# Altium PCB ROBOT1.PcbDoc (part 3 of 7)
Units mm, origin at the board's own origin, x right, y up, seen from the top; angles counter-clockwise.
Board outline 99.4 x 99.07 mm, 2 copper layers (Top Layer, Bottom Layer); 31 components, 29 nets, 151 pads, 0 vias.
Unrouted connection lines stored in the file: 3.
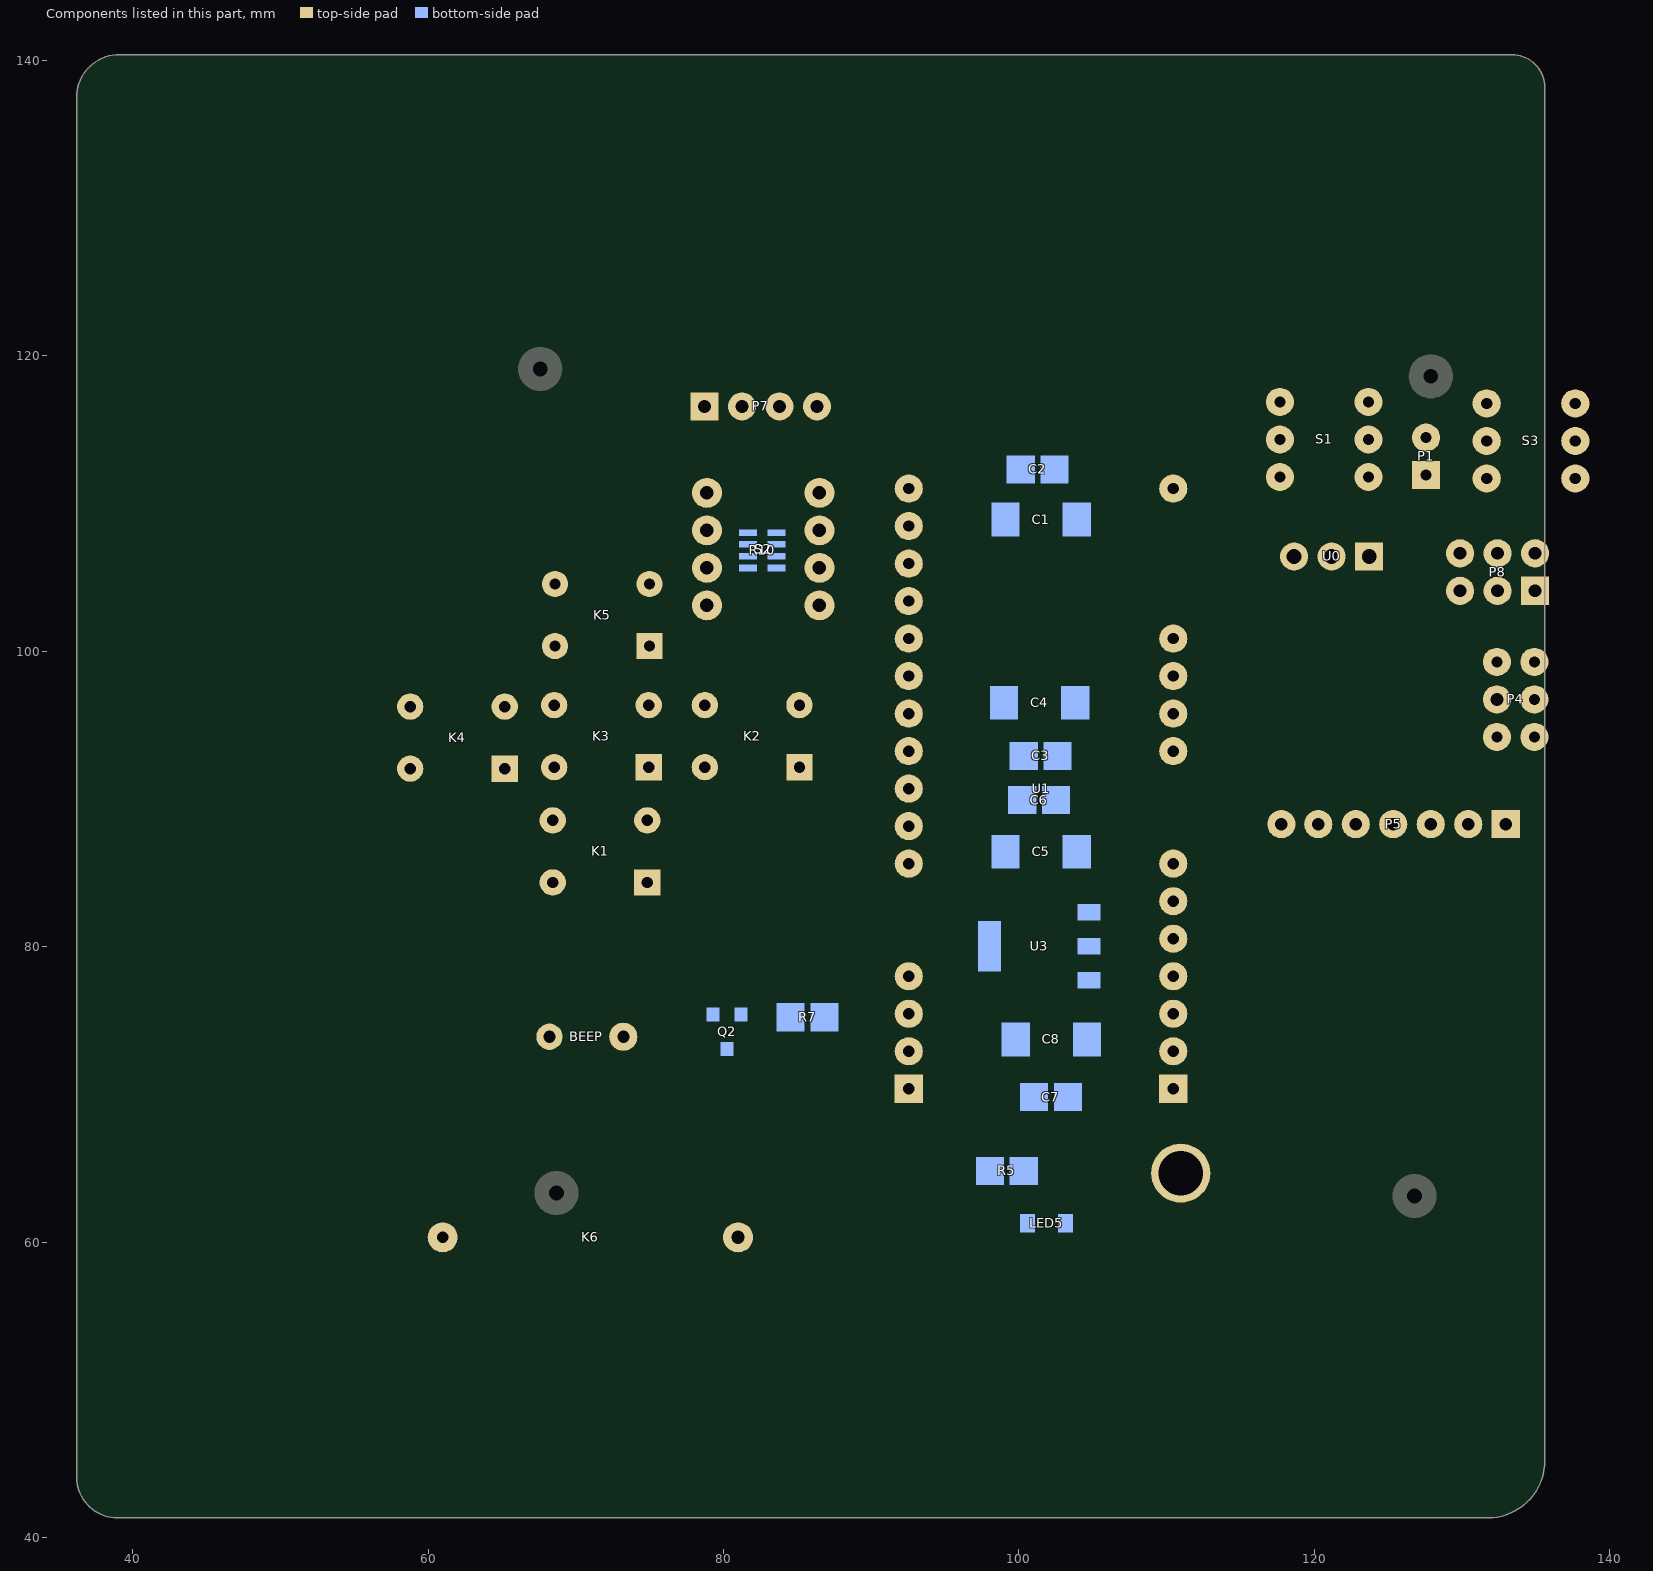
[diagram p3: the components of this part, seen from the top]

## Nets (pads, with @x,y where several pads share a name; then routed paths per layer and width w, separated by ;. In a path a pad name is that pad's centre, name@x,y a point inside that pad or via, vN(x,y) a via of type N, cw(c..) or ccw(c..) an arc to the next point about the centre after c; other vN are vias at no path point) (continued)
copper on no net: (continued)
  Bottom Layer w0.01: 58.26,113.578 58.34,113.578 ; 58.26,114.347 58.34,114.347 ; 58.26,114.357 58.33,114.357 ; 58.26,115.185 58.34,115.185 ; 58.26,115.864 58.34,115.864 ; 58.26,116.493 58.34,116.493 ; 58.26,117.042 58.34,117.042 ; 58.26,117.052 58.34,117.052 ; 58.26,117.811 58.34,117.811 ; 58.26,117.821 58.35,117.821 ; 58.27,113.558 58.35,113.558 ; 58.27,113.568 58.34,113.568 ; 58.27,114.327 58.35,114.327 ; 58.27,114.337 58.35,114.337 ; 58.27,115.165 58.35,115.165 ; 58.27,115.175 58.35,115.175 ; 58.27,115.874 58.35,115.874 ; 58.27,115.884 58.36,115.884 ; 58.27,116.503 58.35,116.503 ; 58.27,116.513 58.35,116.513 ; 58.27,117.062 58.35,117.062 ; 58.27,117.831 58.35,117.831 ; 58.27,117.841 58.36,117.841 ; 58.27,118.03 58.47,118.03 ; 58.28,114.307 58.36,114.307 ; 58.28,114.317 58.36,114.317 ; 58.28,115.155 58.36,115.155 ; 58.28,115.894 58.36,115.894 ; 58.28,115.904 58.37,115.904 ; 58.28,116.523 58.36,116.523 ; 58.28,116.533 58.37,116.533 ; 58.28,117.072 58.35,117.072 ; 58.28,117.851 58.37,117.851 ; 58.29,114.287 58.37,114.287 ; 58.29,114.297 58.37,114.297 ; 58.29,115.135 58.37,115.135 ; 58.29,115.145 58.37,115.145 ; 58.29,115.914 58.38,115.914 ; 58.29,116.543 58.37,116.543 ; 58.29,116.553 58.38,116.553 ; 58.29,116.563 58.38,116.563 ; 58.29,117.082 58.36,117.082 ; 58.29,117.092 58.37,117.092 ; 58.29,117.861 58.37,117.861 ; 58.29,117.871 58.38,117.871 ; 58.3,114.277 58.38,114.277 ; 58.3,115.125 58.38,115.125 ; 58.3,115.744 58.39,115.744 ; 58.3,115.924 58.38,115.924 ; 58.3,115.934 58.39,115.934 ; 58.3,116.573 58.39,116.573 ; 58.3,117.102 58.37,117.102 ; 58.3,117.112 58.38,117.112 ; 58.3,117.881 58.39,117.881 ; 58.3,117.891 58.39,117.891 ; 58.31,114.257 58.39,114.257 ; 58.31,114.267 58.38,114.267 ; 58.31,115.105 58.39,115.105 ; 58.31,115.115 58.38,115.115 ; 58.31,115.724 58.4,115.724 ; 58.31,115.734 58.39,115.734 ; 58.31,115.944 58.39,115.944 ; 58.31,116.583 58.4,116.583 ; 58.31,117.122 58.38,117.122 ; 58.31,117.132 58.39,117.132 ; 58.31,117.901 58.39,117.901 ; 58.32,114.247 58.4,114.247 ; 58.32,115.086 58.4,115.086 ; 58.32,115.096 58.4,115.096 ; 58.32,115.704 58.41,115.704 ; 58.32,115.714 58.4,115.714 ; 58.32,115.954 58.4,115.954 ; 58.32,115.964 58.41,115.964 ; 58.32,116.593 58.4,116.593 ; 58.32,117.142 58.39,117.142 ; 58.32,117.91 58.4,117.91 ; 58.32,117.92 58.41,117.92 ; 58.33,114.217 58.41,114.217 ; 58.33,114.227 58.41,114.227 ; 58.33,114.237 58.4,114.237 ; 58.33,115.076 58.41,115.076 ; 58.33,115.694 58.42,115.694 ; 58.33,115.974 58.41,115.974 ; 58.33,115.984 58.42,115.984 ; 58.33,116.603 58.41,116.603 ; 58.33,116.613 58.41,116.613 ; 58.33,117.152 58.4,117.152 ; 58.33,117.162 58.41,117.162 ; 58.33,117.93 58.41,117.93 ; 58.33,117.94 58.42,117.94 ; 58.34,114.207 58.42,114.207 ; 58.34,115.056 58.42,115.056 ; 58.34,115.066 58.41,115.066 ; 58.34,115.684 58.43,115.684 ; 58.34,115.994 58.43,115.994 ; 58.34,116.623 58.42,116.623 ; 58.34,116.633 58.42,116.633 ; 58.34,117.172 58.41,117.172 ; 58.34,117.182 58.42,117.182 ; 58.34,117.95 58.42,117.95 ; 58.34,117.96 58.43,117.96 ; 58.35,114.187 58.43,114.187 ; 58.35,114.197 58.42,114.197 ; 58.35,115.036 58.43,115.036 ; 58.35,115.046 58.43,115.046 ; 58.35,115.674 58.43,115.674 ; 58.35,116.004 58.43,116.004 ; 58.35,116.014 58.44,116.014 ; 58.35,116.643 58.43,116.643 ; 58.35,116.653 58.44,116.653 ; 58.35,117.192 58.42,117.192 ; 58.35,117.202 58.43,117.202 ; 58.35,117.97 58.44,117.97 ; 58.35,117.98 58.44,117.98 ; 58.36,114.167 58.44,114.167 ; 58.36,114.177 58.44,114.177 ; 58.36,115.026 58.44,115.026 ; 58.36,115.655 58.44,115.655 ; 58.36,115.665 58.44,115.665 ; 58.36,116.024 58.44,116.024 ; 58.36,116.663 58.45,116.663 ; 58.36,117.212 58.43,117.212 ; 58.36,117.99 58.45,117.99 ; 58.37,114.147 58.45,114.147 ; 58.37,114.157 58.45,114.157 ; 58.37,115.006 58.45,115.006 ; 58.37,115.016 58.45,115.016 ; 58.37,115.635 58.45,115.635 ; 58.37,115.645 58.45,115.645 ; 58.37,116.034 58.45,116.034 ; 58.37,116.044 58.46,116.044 ; 58.37,116.673 58.45,116.673 ; 58.37,116.683 58.46,116.683 ; 58.37,117.222 58.44,117.222 ; 58.37,117.232 58.45,117.232 ; 58.37,118 58.46,118 ; 58.38,114.137 58.46,114.137 ; 58.38,114.996 58.46,114.996 ; 58.38,115.615 58.47,115.615 ; 58.38,115.625 58.46,115.625 ; 58.38,116.054 58.47,116.054 ; 58.38,116.693 58.47,116.693 ; 58.38,117.242 58.45,117.242 ; 58.38,117.252 58.46,117.252 ; 58.38,118.01 58.46,118.01 ; 58.38,118.02 58.47,118.02 ; 58.39,114.117 58.47,114.117 ; 58.39,114.127 58.47,114.127 ; 58.39,114.976 58.47,114.976 ; 58.39,114.986 58.47,114.986 ; 58.39,115.595 58.48,115.595 ; 58.39,115.605 58.48,115.605 ; 58.39,116.064 58.47,116.064 ; 58.39,116.074 58.48,116.074 ; 58.39,116.703 58.47,116.703 ; 58.39,116.713 58.48,116.713 ; 58.39,117.262 58.46,117.262 ; 58.39,117.272 58.47,117.272 ; 58.4,113.548 58.44,113.548 ; 58.4,114.107 58.48,114.107 ; 58.4,114.956 58.48,114.956 ; 58.4,114.966 58.48,114.966 ; 58.4,115.585 58.49,115.585 ; 58.4,116.084 58.48,116.084 ; 58.4,116.094 58.48,116.094 ; 58.4,116.723 58.48,116.723 ; 58.4,116.733 58.49,116.733 ; 58.4,117.282 58.47,117.282 ; 58.41,114.087 58.49,114.087 ; 58.41,114.097 58.48,114.097 ; 58.41,114.936 58.49,114.936 ; 58.41,114.946 58.49,114.946 ; 58.41,115.565 58.5,115.565 ; 58.41,115.575 58.49,115.575 ; 58.41,116.104 58.49,116.104 ; 58.41,116.743 58.49,116.743 ; 58.41,116.753 58.5,116.753 ; 58.41,117.292 58.48,117.292 ; 58.41,117.302 58.49,117.302 ; 58.42,114.067 58.5,114.067 ; 58.42,114.077 58.49,114.077 ; 58.42,114.926 58.5,114.926 ; 58.42,115.555 58.5,115.555 ; 58.42,116.114 58.5,116.114 ; 58.42,116.124 58.51,116.124 ; 58.42,116.763 58.51,116.763 ; 58.42,117.312 58.49,117.312 ; 58.42,117.322 58.5,117.322 ; 58.43,114.047 58.51,114.047 ; 58.43,114.057 58.51,114.057 ; 58.43,114.906 58.51,114.906 ; 58.43,114.916 58.51,114.916 ; 58.43,115.535 58.52,115.535 ; 58.43,115.545 58.51,115.545 ; 58.43,116.134 58.52,116.134 ; 58.43,116.144 58.52,116.144 ; 58.43,116.773 58.52,116.773 ; 58.43,116.783 58.52,116.783 ; 58.43,117.332 58.51,117.332 ; 58.43,118.11 58.52,118.11 ; 58.44,114.027 58.52,114.027 ; 58.44,114.037 58.52,114.037 ; 58.44,114.896 58.52,114.896 ; 58.44,115.515 58.53,115.515 ; 58.44,115.525 58.53,115.525 ; 58.44,116.154 58.52,116.154 ; 58.44,116.164 58.53,116.164 ; 58.44,116.792 58.53,116.792 ; 58.44,117.342 58.51,117.342 ; 58.44,117.351 58.52,117.351 ; 58.44,118.12 58.52,118.12 ; 58.45,114.007 58.53,114.007 ; 58.45,114.017 58.53,114.017 ; 58.45,114.876 58.53,114.876 ; 58.45,114.886 58.53,114.886 ; 58.45,115.505 58.54,115.505 ; 58.45,116.174 58.53,116.174 ; 58.45,116.802 58.53,116.802 ; 58.45,116.812 58.54,116.812 ; 58.45,117.361 58.52,117.361 ; 58.45,117.371 58.53,117.371 ; 58.45,118.13 58.53,118.13 ; 58.45,118.14 58.53,118.14 ; 58.46,113.997 58.54,113.997 ; 58.46,114.856 58.54,114.856 ; 58.46,114.866 58.54,114.866 ; 58.46,115.485 58.55,115.485 ; 58.46,115.495 58.54,115.495 ; 58.46,116.184 58.54,116.184 ; 58.46,116.194 58.54,116.194 ; 58.46,116.822 58.54,116.822 ; 58.46,116.832 58.55,116.832 ; 58.46,117.381 58.53,117.381 ; 58.46,117.391 58.54,117.391 ; 58.46,118.15 58.54,118.15 ; 58.46,118.16 58.55,118.16 ; 58.47,113.209 58.56,113.209 ; 58.47,113.978 58.55,113.978 ; 58.47,113.987 58.55,113.987 ; 58.47,114.846 58.55,114.846 ; 58.47,115.465 58.56,115.465 ; 58.47,115.475 58.55,115.475 ; 58.47,116.204 58.55,116.204 ; 58.47,116.214 58.56,116.214 ; 58.47,116.842 58.56,116.842 ; 58.47,116.852 58.56,116.852 ; 58.47,117.401 58.54,117.401 ; 58.47,117.411 58.55,117.411 ; 58.47,118.17 58.55,118.17 ; 58.47,118.18 58.56,118.18 ; 58.48,113.189 58.56,113.189 ; 58.48,113.199 58.56,113.199 ; 58.48,113.968 58.56,113.968 ; 58.48,114.826 58.56,114.826 ; 58.48,114.836 58.56,114.836 ; 58.48,115.445 58.57,115.445 ; 58.48,115.455 58.56,115.455 ; 58.48,116.224 58.57,116.224 ; 58.48,116.862 58.57,116.862 ; 58.48,117.421 58.55,117.421 ; 58.48,118.19 58.56,118.19 ; 58.48,118.2 58.57,118.2 ; 58.49,113.169 58.58,113.169 ; 58.49,113.179 58.57,113.179 ; 58.49,113.938 58.57,113.938 ; 58.49,113.948 58.57,113.948 ; 58.49,113.958 58.56,113.958 ; 58.49,114.816 58.57,114.816 ; 58.49,115.435 58.58,115.435 ; 58.49,116.233 58.58,116.233 ; 58.49,116.872 58.58,116.872 ; 58.49,117.431 58.56,117.431 ; 58.49,117.441 58.57,117.441 ; 58.49,118.21 58.57,118.21 ; 58.5,113.159 58.58,113.159 ; 58.5,113.928 58.58,113.928 ; 58.5,114.796 58.58,114.796 ; 58.5,114.806 58.58,114.806 ; 58.5,115.425 58.58,115.425 ; 58.5,116.243 58.58,116.243 ; 58.5,116.253 58.58,116.253 ; 58.5,116.882 58.58,116.882 ; 58.5,116.892 58.59,116.892 ; 58.5,117.451 58.57,117.451 ; 58.5,117.461 58.58,117.461 ; 58.5,118.22 58.58,118.22 ; 58.5,118.23 58.59,118.23 ; 58.51,113.149 58.59,113.149 ; 58.51,113.908 58.59,113.908 ; 58.51,113.918 58.59,113.918 ; 58.51,114.786 58.59,114.786 ; 58.51,115.405 58.6,115.405 ; 58.51,115.415 58.59,115.415 ; 58.51,116.263 58.59,116.263 ; 58.51,116.273 58.59,116.273 ; 58.51,116.902 58.59,116.902 ; 58.51,117.471 58.58,117.471 ; 58.51,117.481 58.59,117.481 ; 58.51,118.24 58.59,118.24 ; 58.51,118.25 58.6,118.25 ; 58.52,113.129 58.6,113.129 ; 58.52,113.139 58.59,113.139 ; 58.52,113.898 58.6,113.898 ; 58.52,114.766 58.6,114.766 ; 58.52,114.776 58.6,114.776 ; 58.52,115.395 58.6,115.395 ; 58.52,116.283 58.6,116.283 ; 58.52,116.912 58.6,116.912 ; 58.52,116.922 58.61,116.922 ; 58.52,117.491 58.59,117.491 ; 58.52,118.26 58.61,118.26 ; 58.53,113.109 58.61,113.109 ; 58.53,113.119 58.6,113.119 ; 58.53,113.878 58.61,113.878 ; 58.53,113.888 58.61,113.888 ; 58.53,114.746 58.61,114.746 ; 58.53,114.756 58.61,114.756 ; 58.53,115.365 58.62,115.365 ; 58.53,115.375 58.61,115.375 ; 58.53,115.385 58.61,115.385 ; 58.53,116.293 58.61,116.293 ; 58.53,116.303 58.61,116.303 ; 58.53,116.932 58.61,116.932 ; 58.53,116.942 58.62,116.942 ; 58.53,117.501 58.6,117.501 ; 58.53,117.511 58.61,117.511 ; 58.53,118.27 58.61,118.27 ; 58.53,118.28 58.62,118.28 ; 58.54,113.089 58.62,113.089 ; 58.54,113.099 58.61,113.099 ; 58.54,113.858 58.62,113.858 ; 58.54,113.868 58.62,113.868 ; 58.54,114.736 58.62,114.736 ; 58.54,115.355 58.62,115.355 ; 58.54,116.313 58.62,116.313 ; 58.54,116.323 58.63,116.323 ; 58.54,116.952 58.62,116.952 ; 58.54,117.521 58.61,117.521 ; 58.54,117.531 58.62,117.531 ; 58.55,113.069 58.63,113.069 ; 58.55,113.079 58.63,113.079 ; 58.55,113.838 58.64,113.838 ; 58.55,113.848 58.63,113.848 ; 58.55,114.716 58.63,114.716 ; 58.55,114.726 58.62,114.726 ; 58.55,115.335 58.64,115.335 ; 58.55,115.345 58.63,115.345 ; 58.55,116.333 58.63,116.333 ; 58.55,116.343 58.64,116.343 ; 58.55,116.962 58.63,116.962 ; 58.55,116.972 58.64,116.972 ; 58.55,117.541 58.62,117.541 ; 58.55,117.551 58.63,117.551 ; 58.56,113.059 58.64,113.059 ; 58.56,113.828 58.64,113.828 ; 58.56,114.696 58.64,114.696 ; 58.56,114.706 58.64,114.706 ; 58.56,115.325 58.65,115.325 ; 58.56,116.353 58.65,116.353 ; 58.56,116.982 58.64,116.982 ; 58.56,117.561 58.64,117.561 ; 58.57,113.039 58.65,113.039 ; 58.57,113.049 58.64,113.049 ; 58.57,113.808 58.65,113.808 ; 58.57,113.818 58.65,113.818 ; 58.57,114.686 58.65,114.686 ; 58.57,115.315 58.65,115.315 ; 58.57,116.363 58.66,116.363 ; 58.57,116.373 58.66,116.373 ; 58.57,116.992 58.65,116.992 ; 58.57,117.002 58.65,117.002 ; 58.57,117.571 58.64,117.571 ; 58.57,117.581 58.65,117.581 ; 58.58,113.019 58.66,113.019 ; 58.58,113.029 58.66,113.029 ; 58.58,113.788 58.66,113.788 ; 58.58,113.798 58.66,113.798 ; 58.58,114.666 58.66,114.666 ; 58.58,114.676 58.65,114.676 ; 58.58,115.295 58.66,115.295 ; 58.58,115.305 58.66,115.305 ; 58.58,116.383 58.67,116.383 ; 58.58,116.393 58.67,116.393 ; 58.58,117.012 58.66,117.012 ; 58.58,117.022 58.67,117.022 ; 58.58,117.591 58.65,117.591 ; 58.58,118.37 58.67,118.37 ; 58.59,113.009 58.67,113.009 ; 58.59,113.768 58.67,113.768 ; 58.59,113.778 58.67,113.778 ; 58.59,114.656 58.67,114.656 ; 58.59,115.275 58.67,115.275 ; 58.59,115.285 58.67,115.285 ; 58.59,116.403 58.68,116.403 ; 58.59,117.032 58.67,117.032 ; 58.59,117.042 58.68,117.042 ; 58.59,117.601 58.66,117.601 ; 58.59,117.611 58.67,117.611 ; 58.59,117.621 58.67,117.621 ; 58.59,118.38 58.67,118.38 ; 58.59,118.39 58.68,118.39 ; 58.6,112.989 58.68,112.989 ; 58.6,112.999 58.67,112.999 ; 58.6,113.748 58.68,113.748 ; 58.6,113.758 58.68,113.758 ; 58.6,114.626 58.69,114.626 ; 58.6,114.636 58.68,114.636 ; 58.6,114.646 58.68,114.646 ; 58.6,115.255 58.69,115.255 ; 58.6,115.265 58.68,115.265 ; 58.6,116.413 58.68,116.413 ; 58.6,116.423 58.69,116.423 ; 58.6,117.052 58.69,117.052 ; 58.6,117.631 58.68,117.631 ; 58.6,118.4 58.69,118.4 ; 58.61,112.969 58.69,112.969 ; 58.61,112.979 58.68,112.979 ; 58.61,113.738 58.69,113.738 ; 58.61,114.616 58.69,114.616 ; 58.61,115.235 58.7,115.235 ; 58.61,115.245 58.7,115.245 ; 58.61,116.433 58.7,116.433 ; 58.61,117.062 58.69,117.062 ; 58.61,117.072 58.7,117.072 ; 58.61,117.641 58.68,117.641 ; 58.61,117.651 58.69,117.651 ; 58.61,118.41 58.69,118.41 ; 58.61,118.42 58.69,118.42 ; 58.62,112.959 58.7,112.959 ; 58.62,113.718 58.7,113.718 ; 58.62,113.728 58.69,113.728 ; 58.62,114.596 58.71,114.596 ; 58.62,114.606 58.7,114.606 ; 58.62,115.225 58.71,115.225 ; 58.62,116.443 58.7,116.443 ; 58.62,117.082 58.7,117.082 ; 58.62,117.661 58.69,117.661 ; 58.62,118.43 58.7,118.43 ; 58.62,118.44 58.71,118.44 ; 58.63,112.939 58.71,112.939 ; 58.63,112.949 58.7,112.949 ; 58.63,113.698 58.71,113.698 ; 58.63,113.708 58.71,113.708 ; 58.63,114.576 58.719,114.576 ; 58.63,114.586 58.71,114.586 ; 58.63,115.215 58.719,115.215 ; 58.63,116.453 58.71,116.453 ; 58.63,116.463 58.719,116.463 ; 58.63,117.092 58.71,117.092 ; 58.63,117.102 58.719,117.102 ; 58.63,117.671 58.7,117.671 ; 58.63,117.681 58.7,117.681 ; 58.63,118.45 58.719,118.45 ; 58.63,118.46 58.719,118.46 ; 58.64,112.919 58.719,112.919 ; 58.64,112.929 58.71,112.929 ; 58.64,113.548 58.69,113.548 ; 58.64,113.688 58.719,113.688 ; 58.64,114.556 58.729,114.556 ; 58.64,114.566 58.719,114.566 ; 58.64,115.195 58.729,115.195 ; 58.64,115.205 58.729,115.205 ; 58.64,116.473 58.719,116.473 ; 58.64,116.483 58.719,116.483 ; 58.64,117.112 58.719,117.112 ; 58.64,117.691 58.71,117.691 ; 58.64,117.701 58.719,117.701 ; 58.64,118.469 58.729,118.469 ; 58.65,112.899 58.729,112.899 ; 58.65,112.909 58.719,112.909 ; 58.65,113.678 58.719,113.678 ; 58.65,114.546 58.729,114.546 ; 58.65,115.175 58.739,115.175 ; 58.65,115.185 58.729,115.185 ; 58.65,116.493 58.729,116.493 ; 58.65,116.503 58.739,116.503 ; 58.65,117.122 58.729,117.122 ; 58.65,117.132 58.729,117.132 ; 58.65,117.711 58.719,117.711 ; 58.65,117.721 58.729,117.721 ; 58.65,118.479 58.729,118.479 ; 58.65,118.489 58.739,118.489 ; 58.66,112.879 58.739,112.879 ; 58.66,112.889 58.739,112.889 ; 58.66,113.648 58.739,113.648 ; 58.66,113.658 58.739,113.658 ; 58.66,113.668 58.729,113.668 ; 58.66,114.537 58.739,114.537 ; 58.66,115.165 58.739,115.165 ; 58.66,116.513 58.739,116.513 ; 58.66,116.523 58.749,116.523 ; 58.66,117.142 58.739,117.142 ; 58.66,117.152 58.739,117.152 ; 58.66,117.731 58.729,117.731 ; 58.66,117.741 58.739,117.741 ; 58.66,118.499 58.739,118.499 ; 58.66,118.509 58.749,118.509 ; 58.67,112.869 58.749,112.869 ; 58.67,113.628 58.759,113.628 ; 58.67,113.638 58.749,113.638 ; 58.67,114.517 58.759,114.517 ; 58.67,114.527 58.749,114.527 ; 58.67,115.145 58.759,115.145 ; 58.67,115.155 58.749,115.155 ; 58.67,116.533 58.759,116.533 ; 58.67,117.162 58.749,117.162 ; 58.67,117.172 58.759,117.172 ; 58.67,117.751 58.749,117.751 ; 58.67,118.519 58.749,118.519 ; 58.67,118.529 58.759,118.529 ; 58.68,112.85 58.759,112.85 ; 58.68,112.86 58.749,112.86 ; 58.68,113.608 58.769,113.608 ; 58.68,113.618 58.769,113.618 ; 58.68,114.507 58.759,114.507 ; 58.68,115.135 58.759,115.135 ; 58.68,116.543 58.769,116.543 ; 58.68,117.182 58.769,117.182 ; 58.68,117.761 58.749,117.761 ; 58.68,117.771 58.759,117.771 ; 58.68,118.539 58.759,118.539 ; 58.68,118.549 58.769,118.549 ; 58.69,112.83 58.769,112.83 ; 58.69,112.84 58.759,112.84 ; 58.69,113.468 58.7,113.468 ; 58.69,113.598 58.769,113.598 ; 58.69,114.487 58.769,114.487 ; 58.69,114.497 58.769,114.497 ; 58.69,115.115 58.779,115.115 ; 58.69,115.125 58.769,115.125 ; 58.69,116.553 58.769,116.553 ; 58.69,116.563 58.779,116.563 ; 58.69,116.573 58.779,116.573 ; 58.69,117.192 58.769,117.192 ; 58.69,117.202 58.779,117.202 ; 58.69,117.781 58.759,117.781 ; 58.69,117.791 58.769,117.791 ; 58.69,118.559 58.779,118.559 ; 58.7,112.82 58.779,112.82 ; 58.7,113.548 58.809,113.548 ; 58.7,113.578 58.779,113.578 ; 58.7,113.588 58.779,113.588 ; 58.7,114.477 58.779,114.477 ; 58.7,115.096 58.789,115.096 ; 58.7,115.105 58.779,115.105 ; 58.7,116.583 58.779,116.583 ; 58.7,116.593 58.789,116.593 ; 58.7,116.603 58.799,116.603 ; 58.7,117.212 58.779,117.212 ; 58.7,117.222 58.789,117.222 ; 58.7,117.801 58.769,117.801 ; 58.7,118.569 58.779,118.569 ; 58.7,118.579 58.789,118.579 ; 58.71,112.8 58.789,112.8 ; 58.71,112.81 58.779,112.81 ; 58.71,113.558 58.789,113.558 ; 58.71,113.568 58.789,113.568 ; 58.71,114.457 58.789,114.457 ; 58.71,114.467 58.779,114.467 ; 58.71,115.086 58.799,115.086 ; 58.71,116.613 58.809,116.613 ; 58.71,117.232 58.799,117.232 ; 58.71,117.242 58.799,117.242 ; 58.71,117.811 58.779,117.811 ; 58.71,117.821 58.779,117.821 ; 58.71,118.589 58.799,118.589 ; 58.719,112.78 58.799,112.78 ; 58.719,112.79 58.799,112.79 ; 58.719,113.468 58.749,113.468 ; 58.719,114.437 58.799,114.437 ; 58.719,114.447 58.799,114.447 ; 58.719,115.066 58.809,115.066 ; 58.719,115.076 58.799,115.076 ; 58.719,117.252 58.809,117.252 ; 58.719,117.831 58.789,117.831 ; 58.719,118.599 58.799,118.599 ; 58.719,118.609 58.809,118.609 ; 58.729,112.77 58.809,112.77 ; 58.729,114.427 58.809,114.427 ; 58.729,115.056 58.809,115.056 ; 58.729,116.623 58.809,116.623 ; 58.729,116.633 58.819,116.633 ; 58.729,117.262 58.809,117.262 ; 58.729,117.272 58.819,117.272 ; 58.729,117.841 58.799,117.841 ; 58.729,117.851 58.799,117.851 ; 58.729,118.619 58.809,118.619 ; 58.729,118.629 58.819,118.629 ; 58.739,112.74 58.819,112.74 ; 58.739,112.75 58.819,112.75 ; 58.739,112.76 58.809,112.76 ; 58.739,114.407 58.819,114.407 ; 58.739,114.417 58.819,114.417 ; 58.739,115.036 58.819,115.036 ; 58.739,115.046 58.819,115.046 ; 58.739,116.643 58.819,116.643 ; 58.739,117.282 58.829,117.282 ; 58.739,117.861 58.809,117.861 ; 58.739,117.871 58.819,117.871 ; 58.739,118.639 58.819,118.639 ; 58.739,118.649 58.819,118.649 ; 58.749,112.73 58.819,112.73 ; 58.749,114.387 58.829,114.387 ; 58.749,114.397 58.829,114.397 ; 58.749,115.026 58.829,115.026 ; 58.749,116.653 58.829,116.653 ; 58.749,116.663 58.839,116.663 ; 58.749,117.292 58.839,117.292 ; 58.749,117.302 58.839,117.302 ; 58.749,117.881 58.819,117.881 ; 58.749,118.659 58.829,118.659 ; 58.759,112.71 58.839,112.71 ; 58.759,112.72 58.829,112.72 ; 58.759,114.377 58.839,114.377 ; 58.759,115.006 58.839,115.006 ; 58.759,115.016 58.839,115.016 ; 58.759,116.673 58.839,116.673 ; 58.759,117.312 58.849,117.312 ; 58.759,117.891 58.829,117.891 ; 58.759,117.901 58.829,117.901 ; 58.759,118.669 58.839,118.669 ; 58.759,118.679 58.849,118.679 ; 58.769,112.7 58.849,112.7 ; 58.769,114.357 58.849,114.357 ; 58.769,114.367 58.839,114.367 ; 58.769,114.996 58.849,114.996 ; 58.769,116.683 58.849,116.683 ; 58.769,116.693 58.859,116.693 ; 58.769,116.703 58.859,116.703 ; 58.769,117.322 58.859,117.322 ; 58.769,117.332 58.859,117.332 ; 58.769,117.91 58.839,117.91 ; 58.769,117.92 58.839,117.92 ; 58.769,118.689 58.849,118.689 ; 58.769,118.699 58.859,118.699 ; 58.779,112.68 58.859,112.68 ; 58.779,112.69 58.849,112.69 ; 58.779,114.347 58.859,114.347 ; 58.779,114.976 58.859,114.976 ; 58.779,114.986 58.859,114.986 ; 58.779,116.713 58.869,116.713 ; 58.779,117.342 58.869,117.342 ; 58.779,117.93 58.849,117.93 ; 58.779,117.94 58.859,117.94 ; 58.779,118.709 58.859,118.709 ; 58.779,118.719 58.869,118.719 ; 58.789,112.66 58.869,112.66 ; 58.789,112.67 58.859,112.67 ; 58.789,114.327 58.869,114.327 ; 58.789,114.337 58.869,114.337 ; 58.789,114.956 58.879,114.956 ; 58.789,114.966 58.869,114.966 ; 58.789,116.723 58.879,116.723 ; 58.789,117.351 58.869,117.351 ; 58.789,117.361 58.879,117.361 ; 58.789,117.95 58.859,117.95 ; 58.789,117.96 58.869,117.96 ; 58.789,118.729 58.879,118.729 ; 58.789,118.739 58.879,118.739 ; 58.799,112.65 58.879,112.65 ; 58.799,114.307 58.879,114.307 ; 58.799,114.317 58.879,114.317 ; 58.799,114.936 58.889,114.936 ; 58.799,114.946 58.879,114.946 ; 58.799,116.733 